# Altium PCB PCB1.PcbDoc (part 1 of 4) (continued)
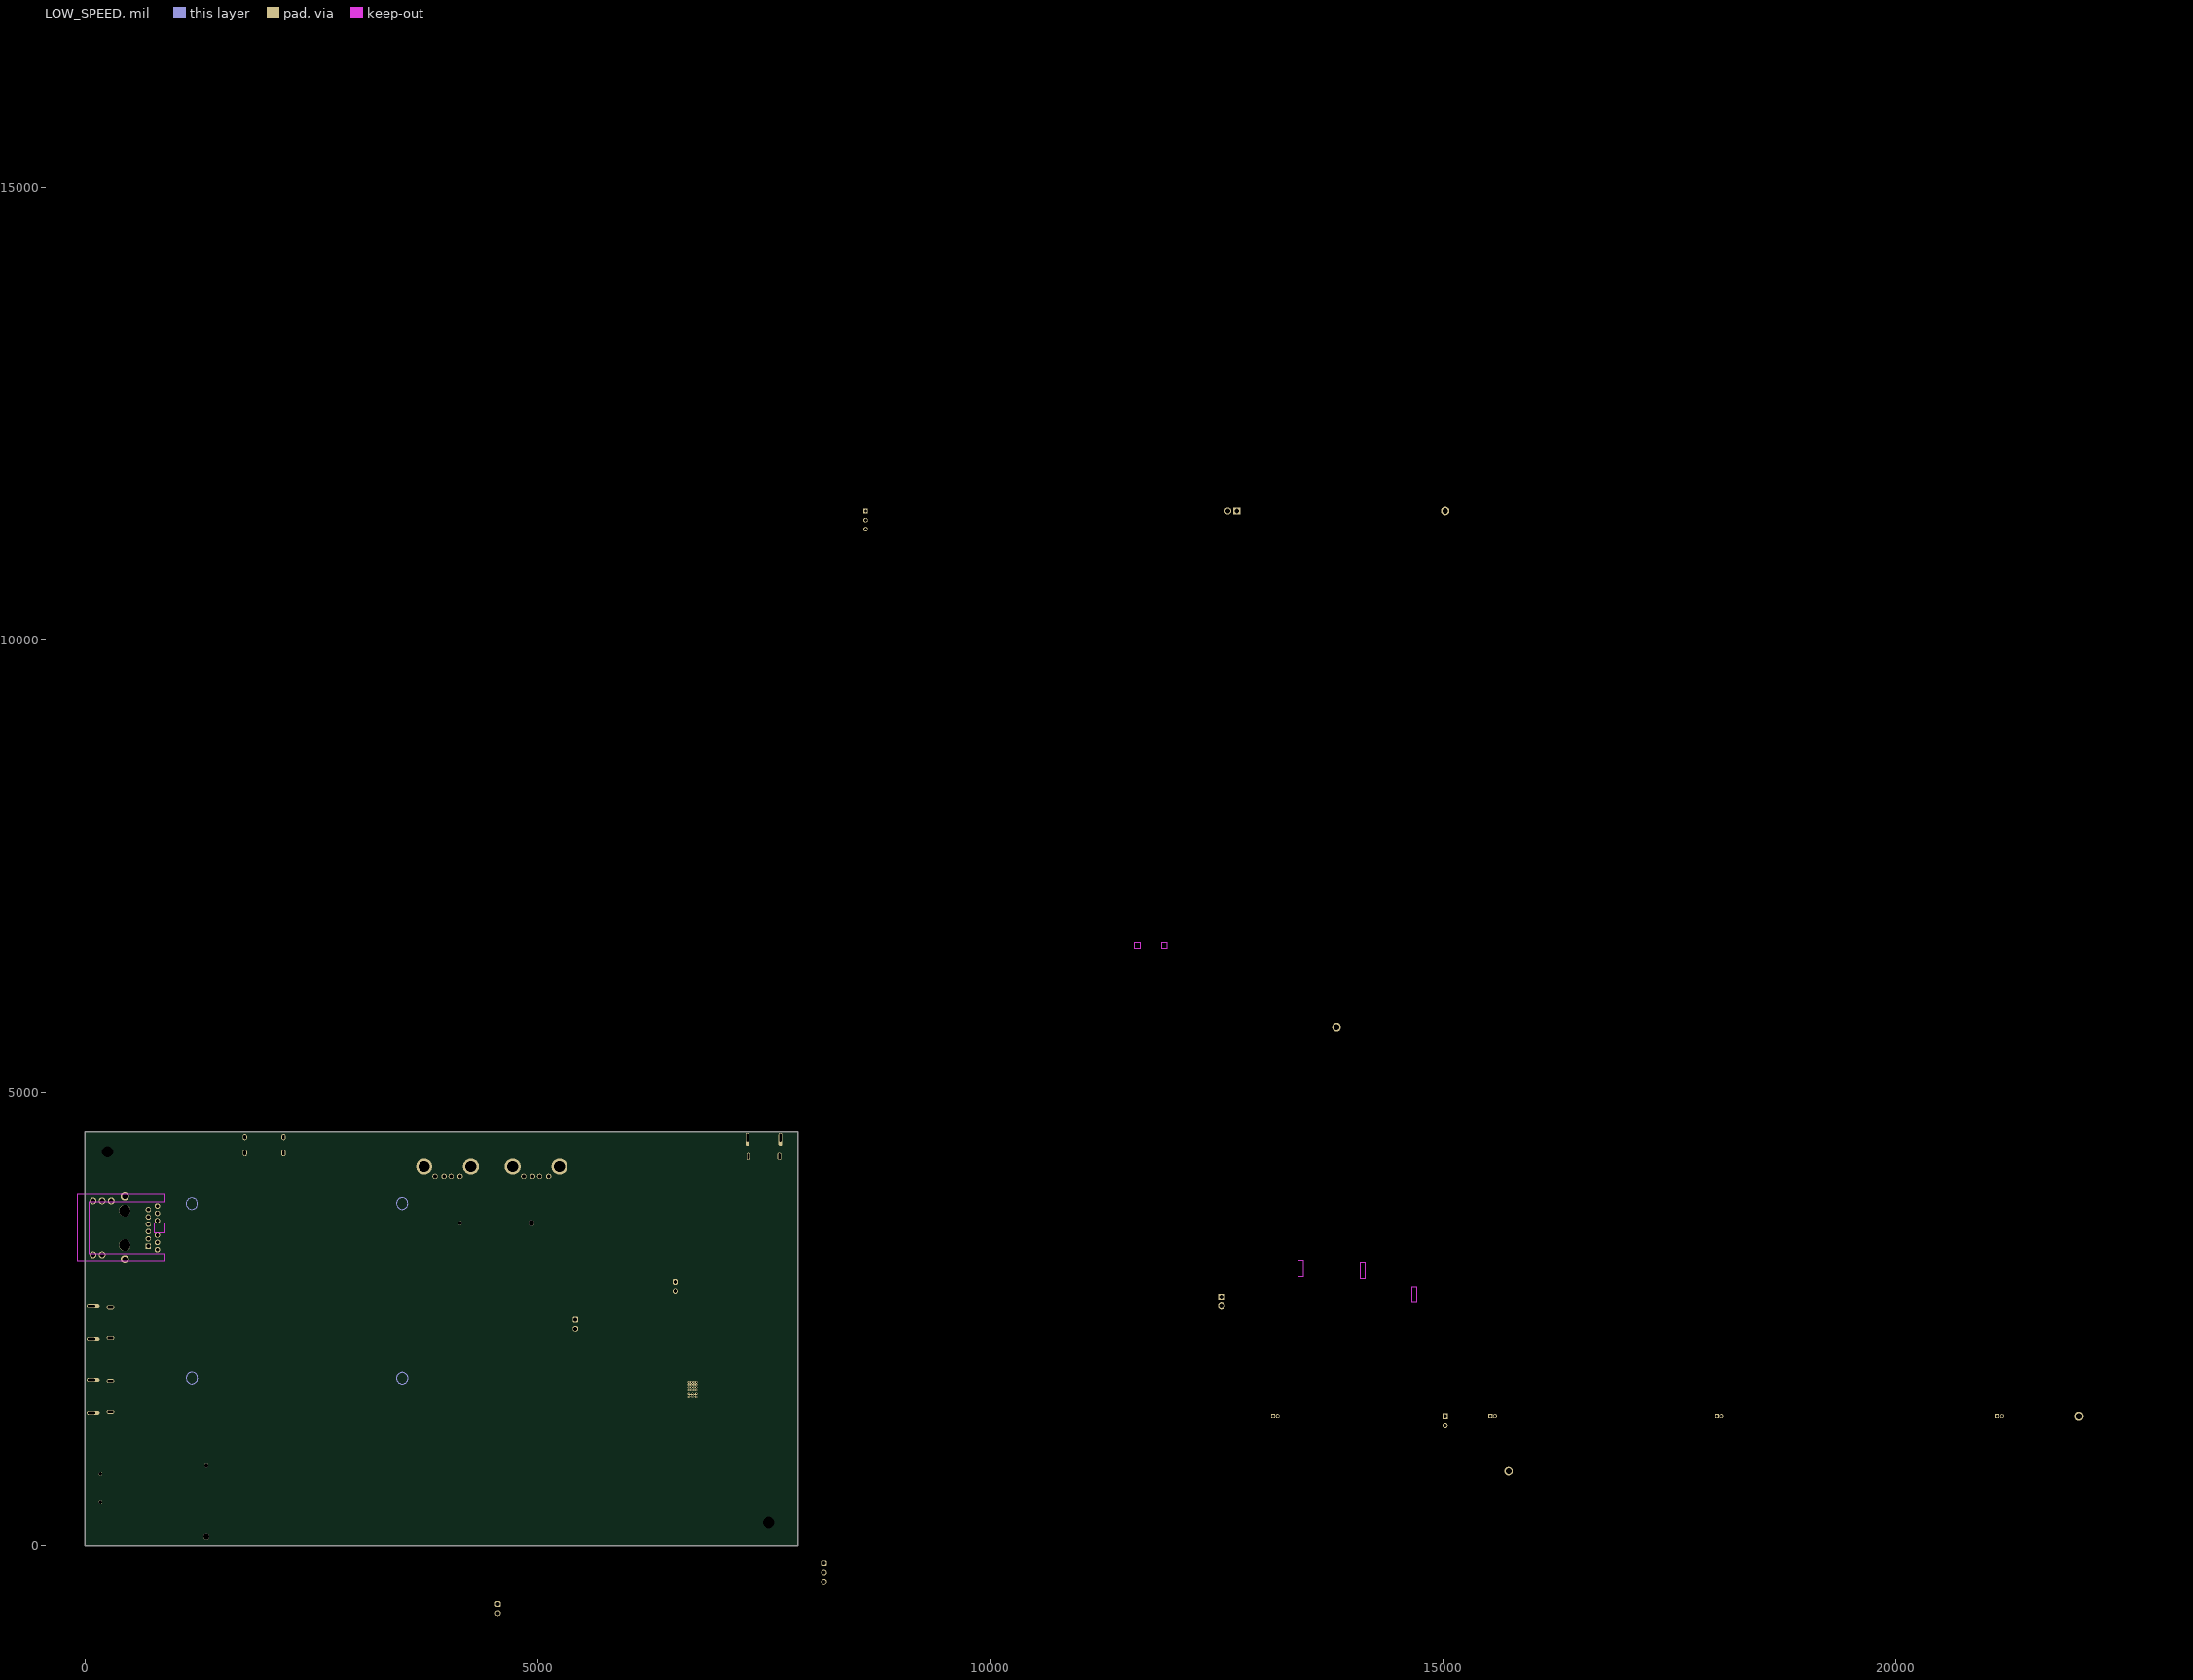
[diagram p3: LOW_SPEED]
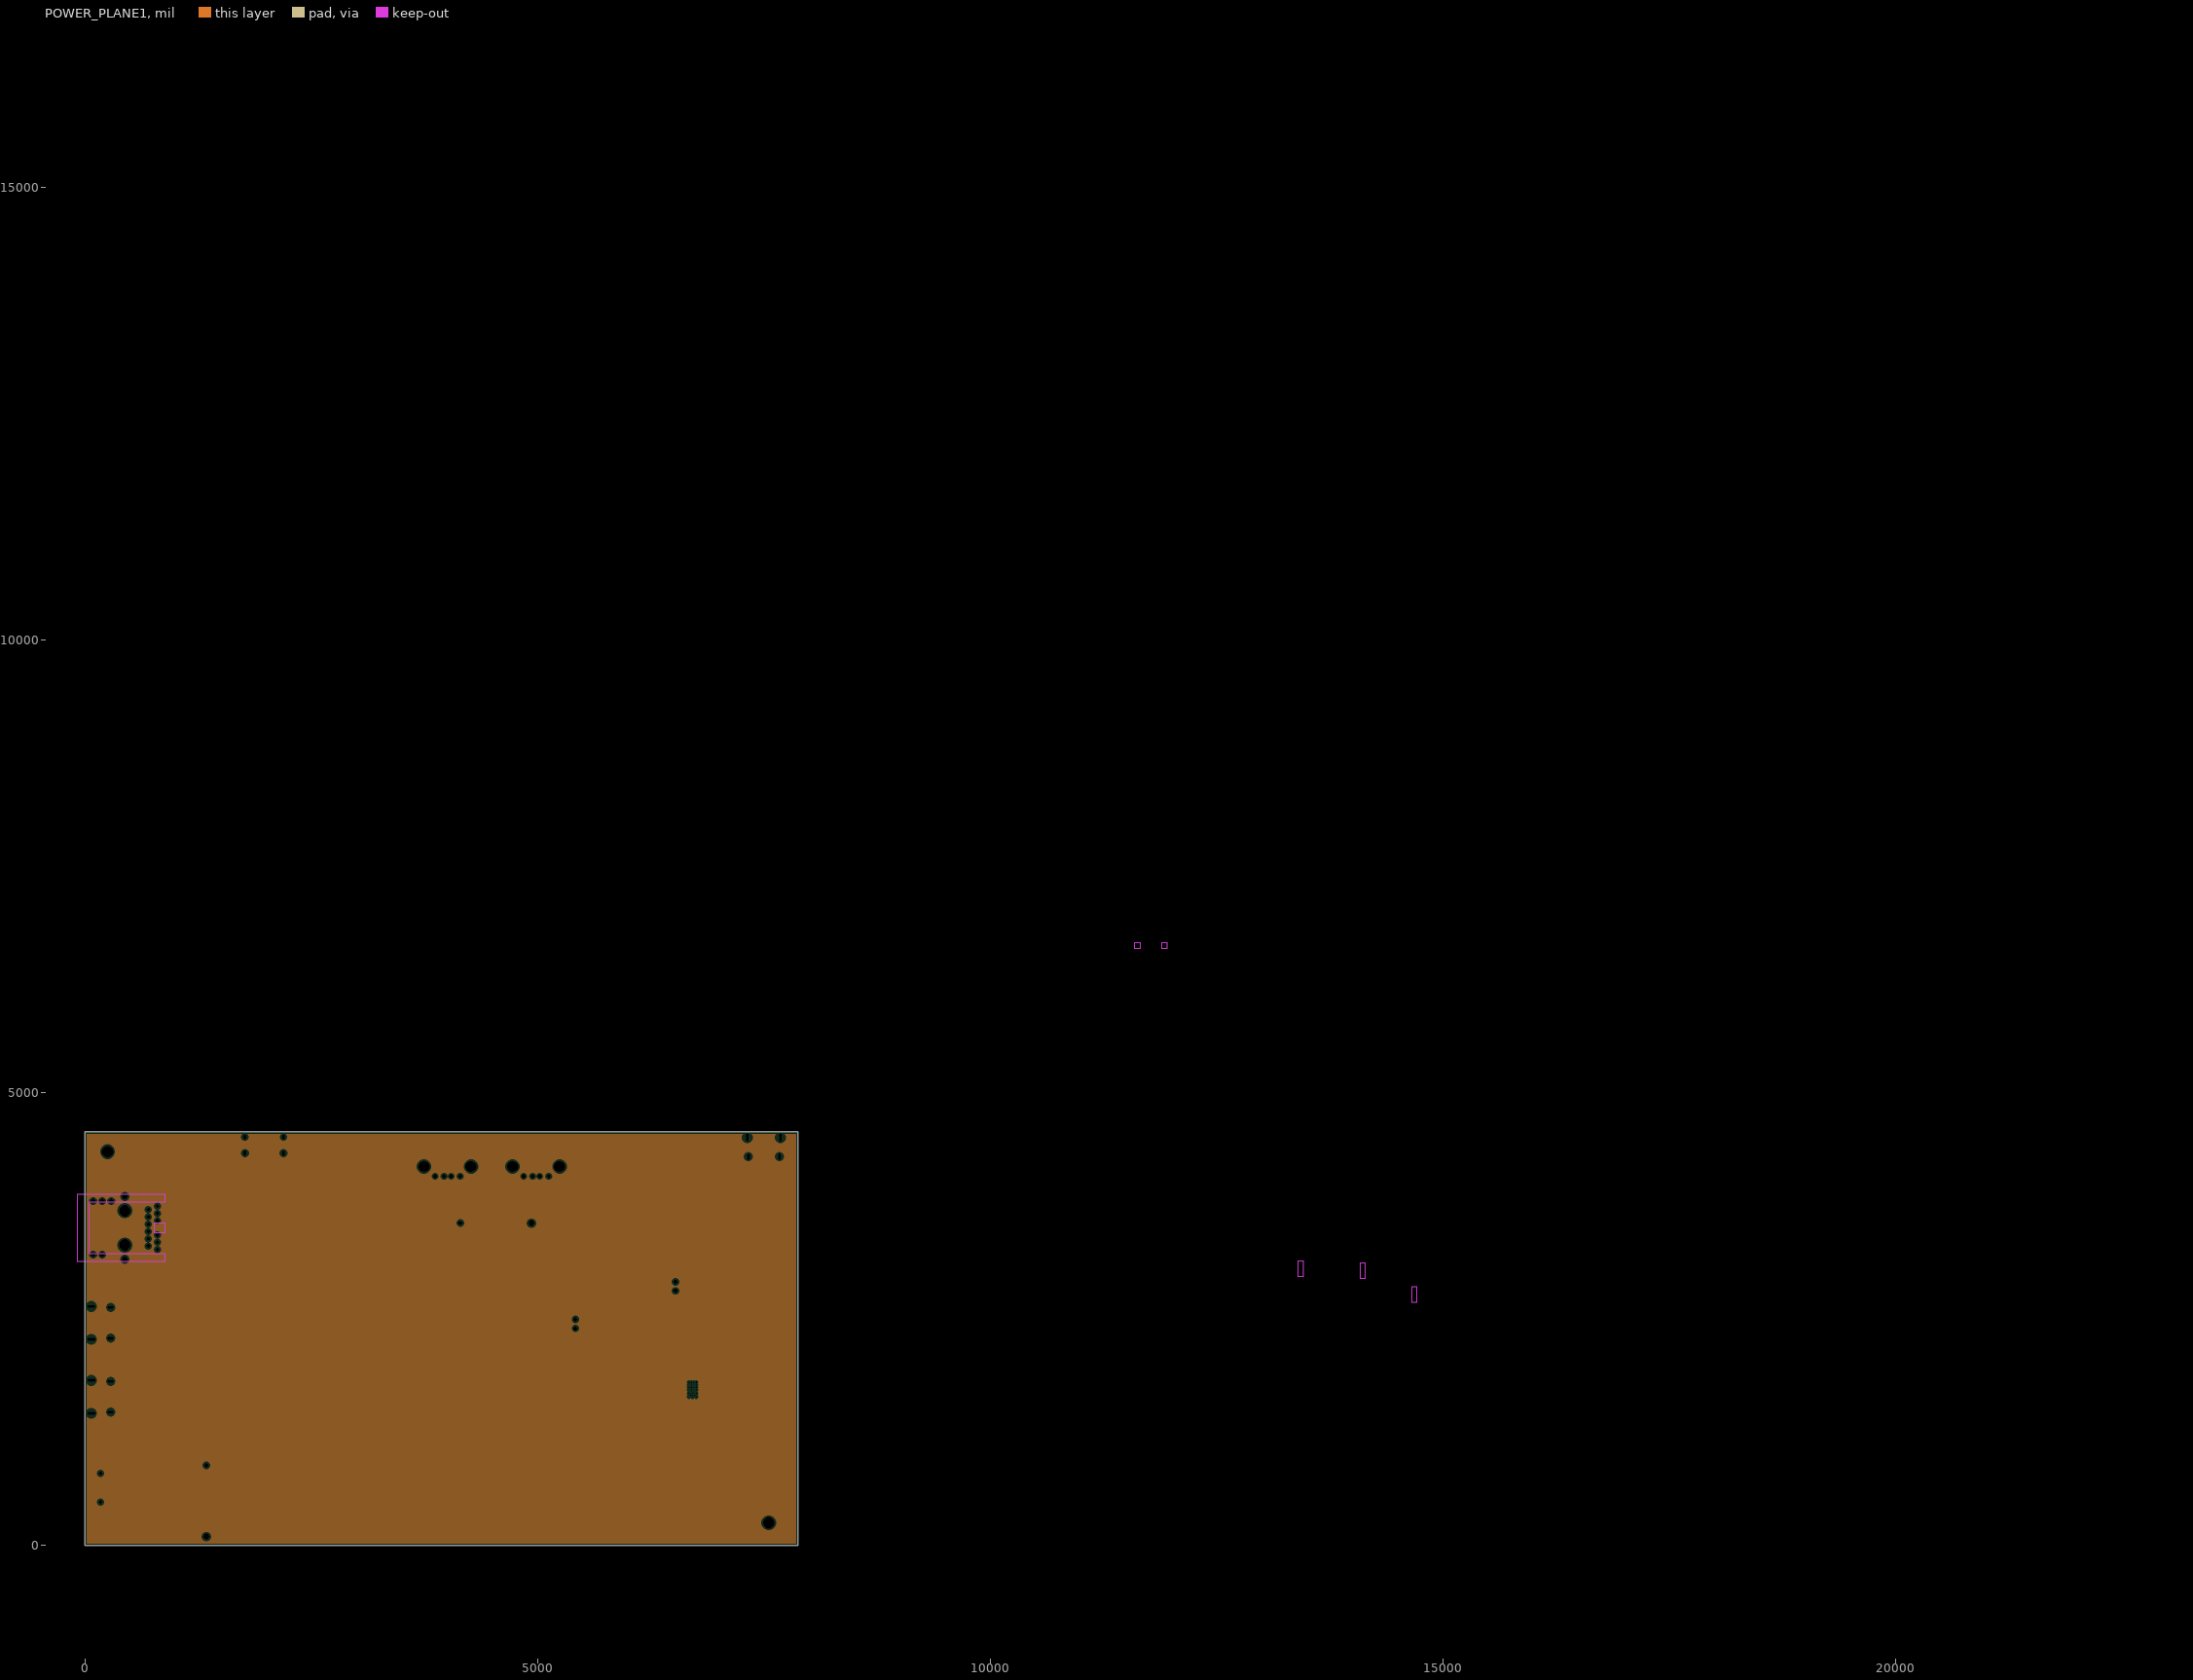
[diagram p4: POWER_PLANE1, clearances drawn from the general rule]
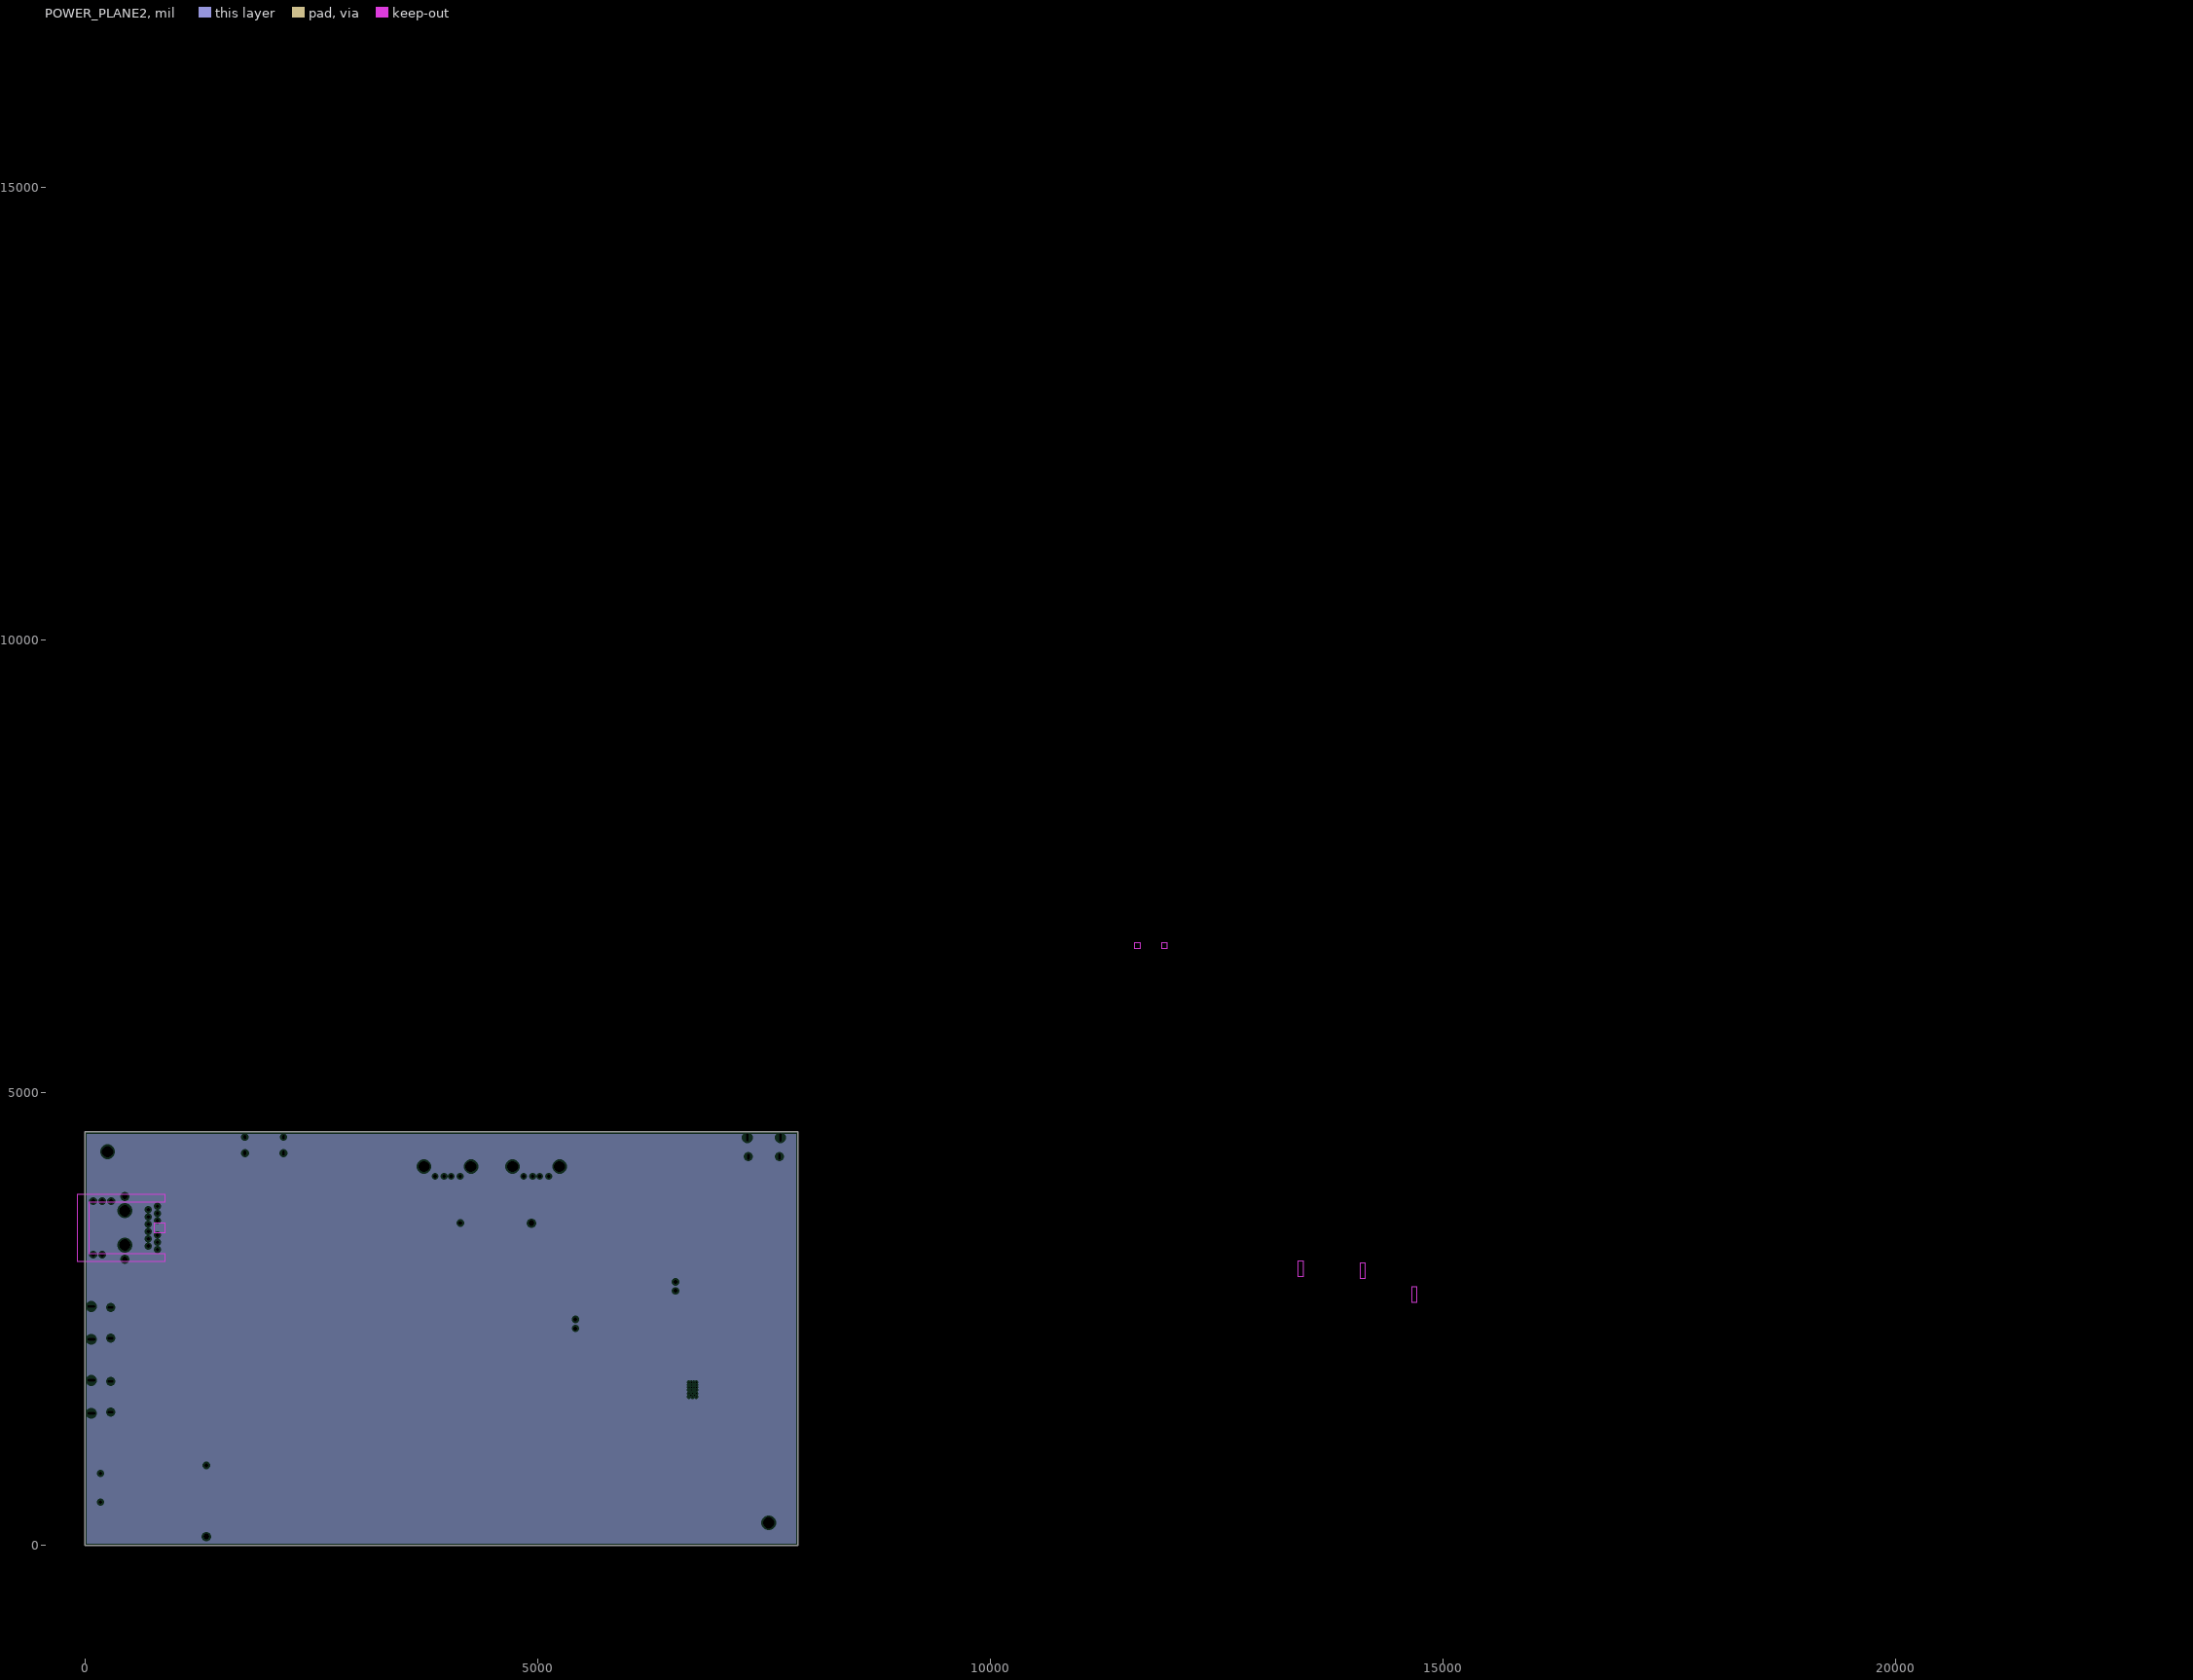
[diagram p5: POWER_PLANE2, clearances drawn from the general rule]
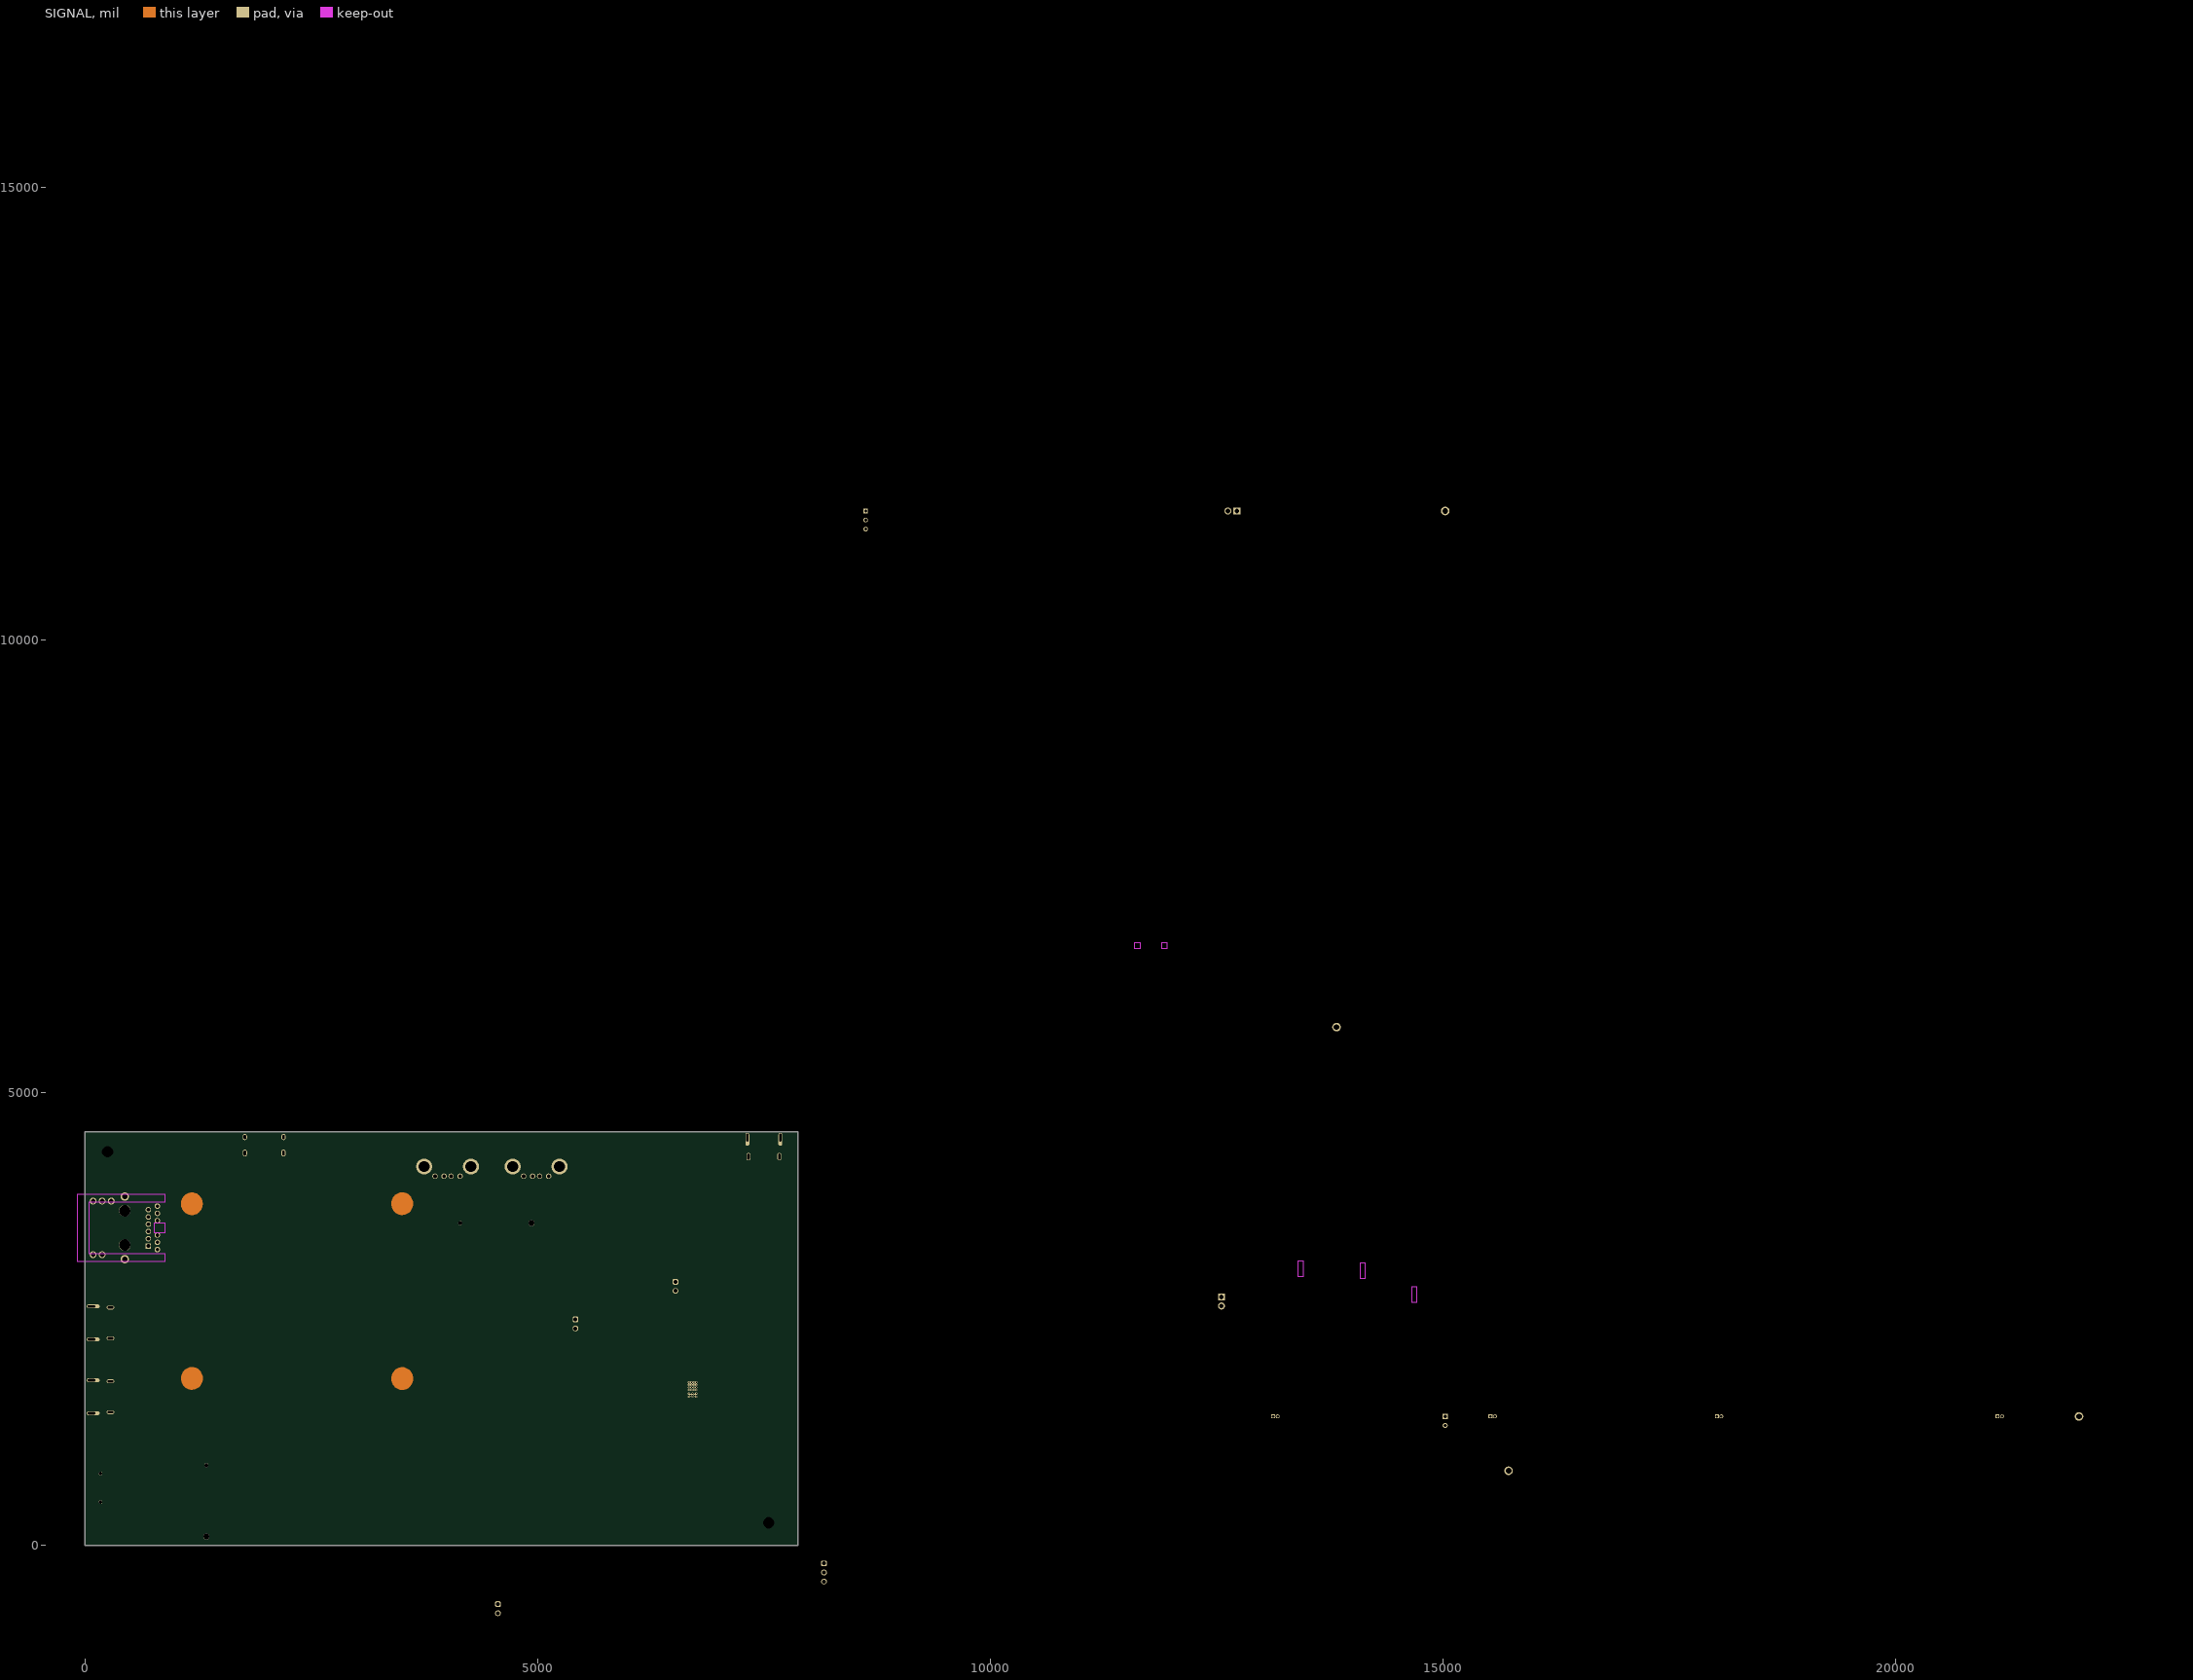
[diagram p6: SIGNAL]